# Altium PCB GridSeed.PcbDoc (part 3 of 4)
Units mm, origin at the board's own origin, x right, y up, seen from the top; angles counter-clockwise.
Board outline 91 x 132.25 mm, 4 copper layers (Top Layer, Mid-Top Layer, Mid-Bottom Layer, Bottom Layer); 396 components, 143 nets, 1833 pads, 2320 vias.
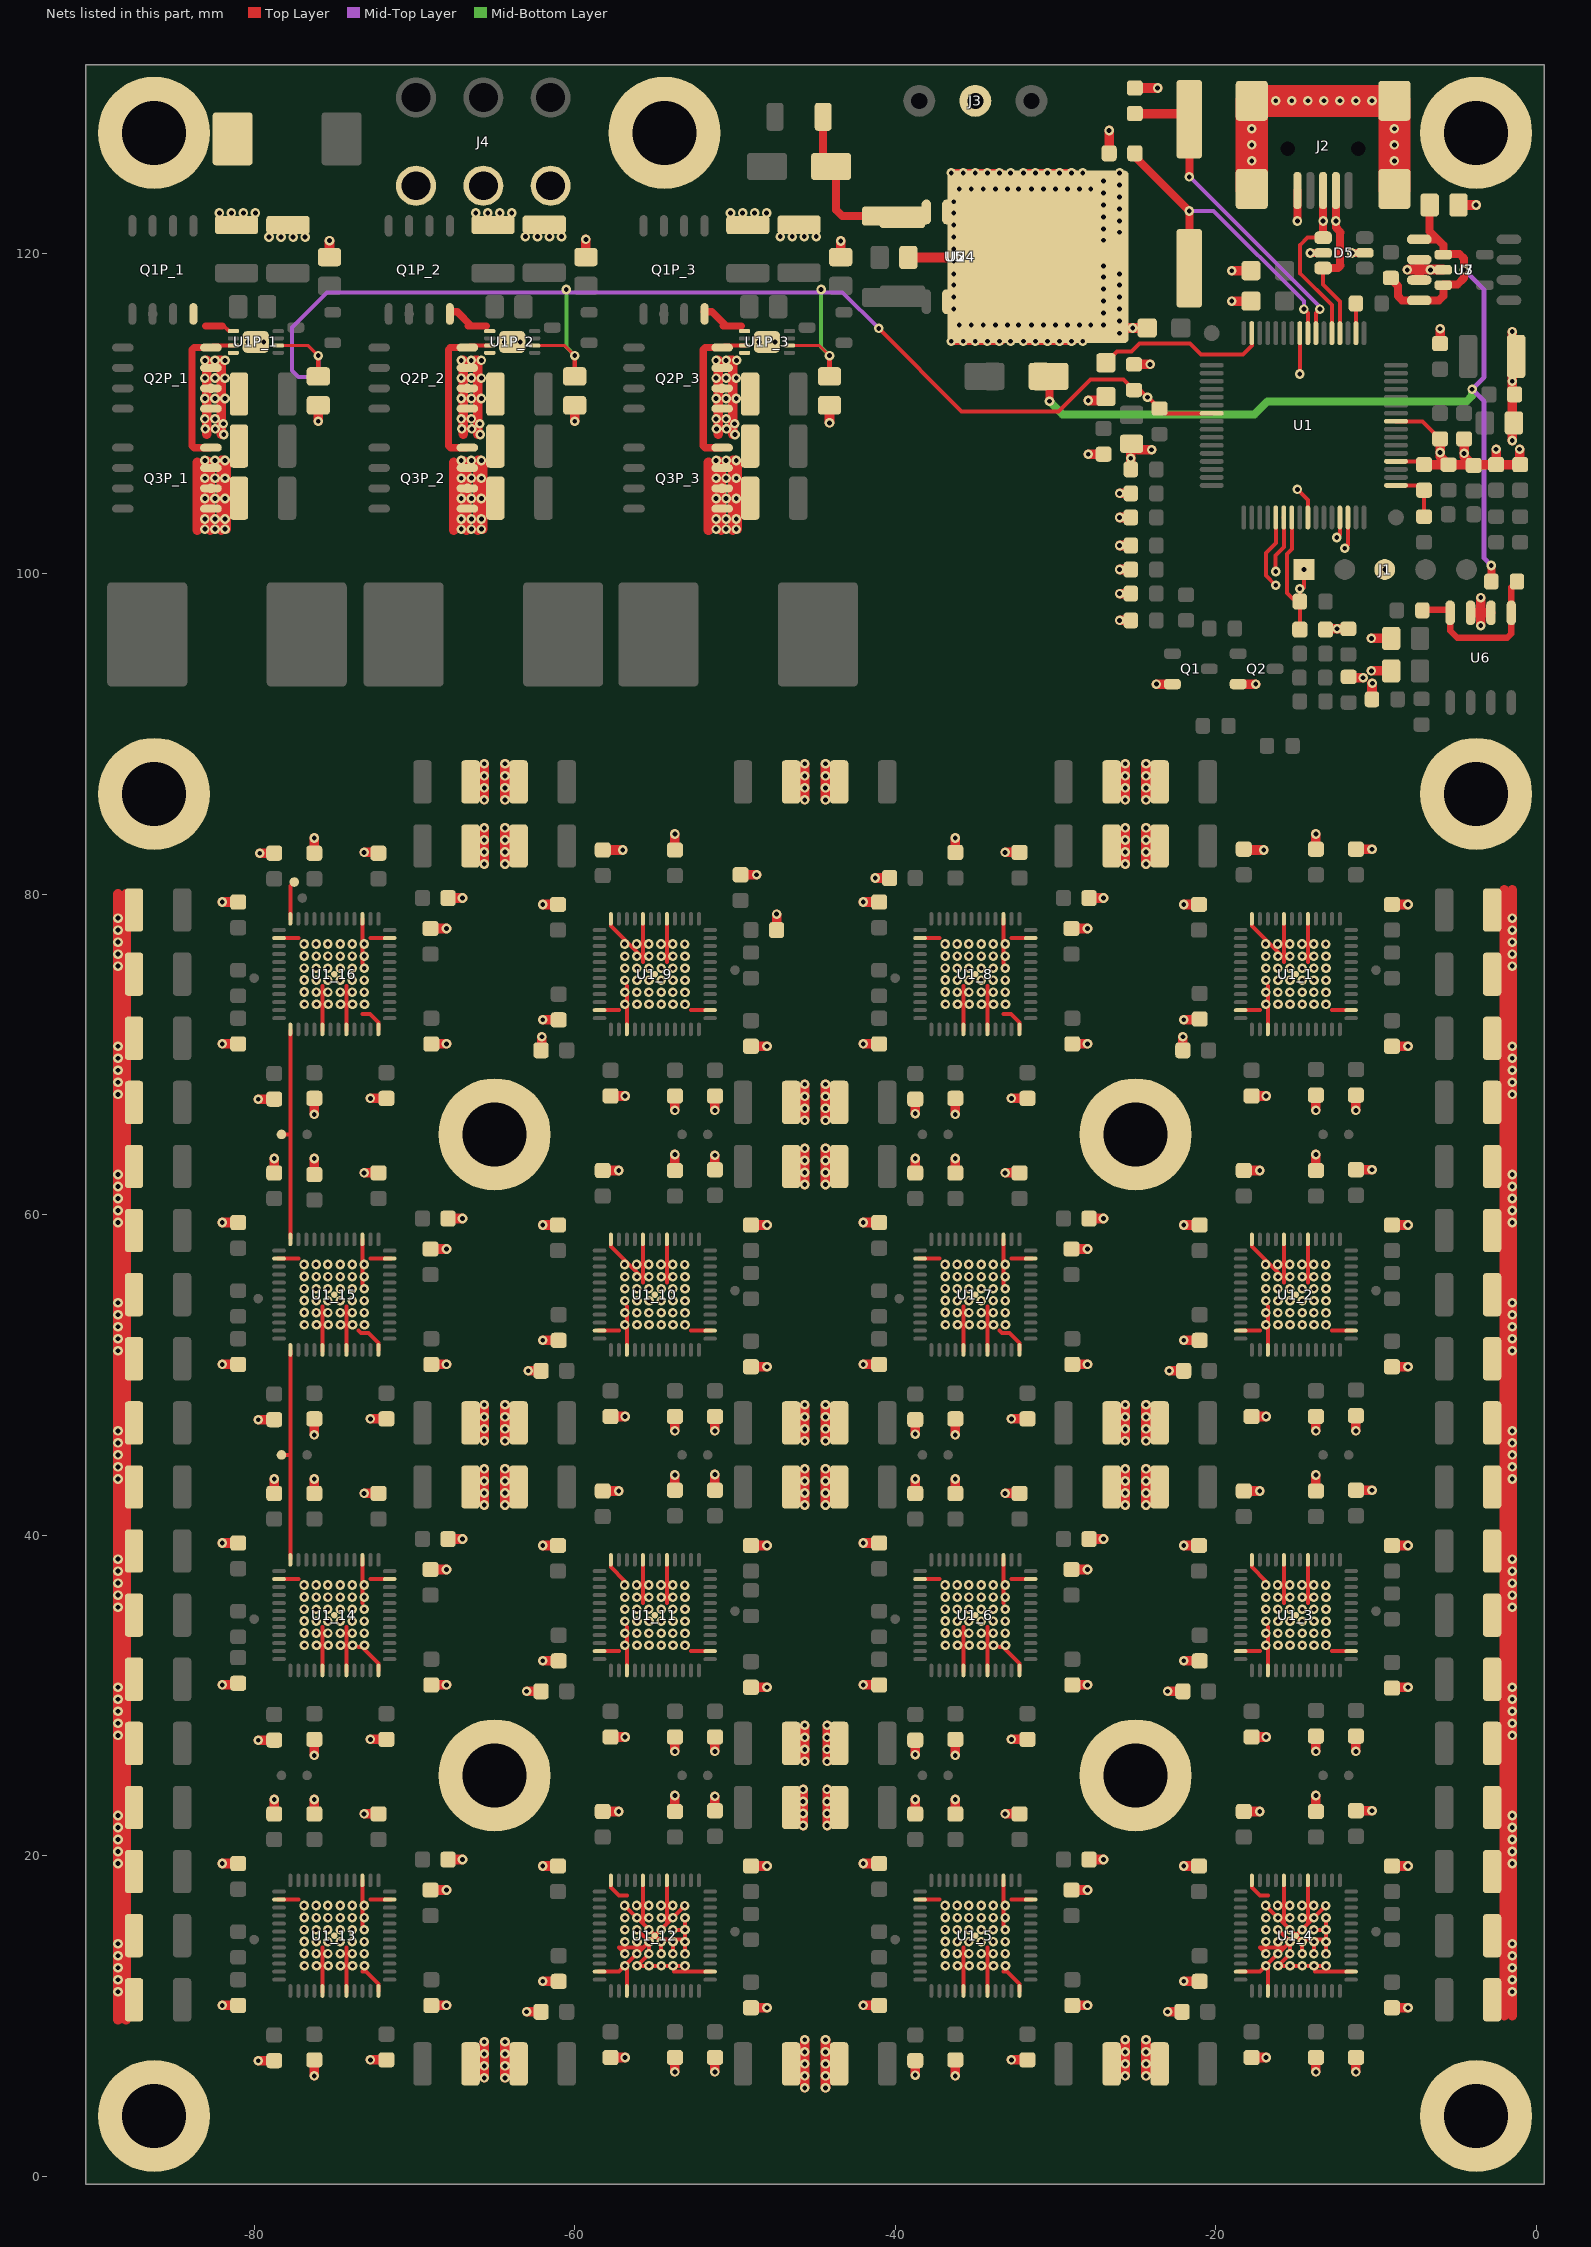
[diagram p5: the nets of this part, all layers, seen from the top]

## Via types
v1: diameter 0.6, hole 0.3, Top Layer to Bottom Layer, tented both sides, 1744 vias
v2: diameter 0.6, hole 0.3, Top Layer to Bottom Layer, 576 vias

## Nets (pads, with @x,y where several pads share a name; then routed paths per layer and width w, separated by ;. In a path a pad name is that pad's centre, name@x,y a point inside that pad or via, vN(x,y) a via of type N, cw(c..) or ccw(c..) an arc to the next point about the centre after c; other vN are vias at no path point) (continued)
CONFIG_P15: pad.0@-78.3,45 U1_14.36 U1_15.1 | length 13.5
  Top Layer w0.25: pad.0@-78.3,45 -77.75,45 ; U1_14.36@-77.75,38.525 U1_15.1@-77.75,51.475
CONFIG_P16: pad.0@-78.3,65 U1_15.36 U1_16.1 | length 13.5
  Top Layer w0.25: pad.0@-78.3,65 -77.75,65 ; U1_15.36@-77.75,58.525 U1_16.1@-77.75,71.475
CONFIG_P17: pad.0@-77.5,80.75 U1_16.36 | length 2.4
  Top Layer w0.25: U1_16.36@-77.75,78.45 -77.75,80.5 pad.0@-77.5,80.75
CSN4: U1.14 | length 2.1
  Top Layer w0.25: v1@-12,101.525 v1(-11.95,101.575) -11.75,101.775 U1.14@-11.75,103.5
CSP4: U1.13 | length 1.3
  Top Layer w0.25: v1(-12.45,102.25) -12.25,102.45 U1.13@-12.25,103.5
D+: D5.1 J2.3 U1.37 | length 10.9
  Top Layer w0.25: D5.1@-13.3,120.96 -14.275,120.96 -14.725,120.51 -14.725,118.725 -12.75,116.75 U1.37@-12.75,115
  Top Layer w0.5: D5.1@-13.3,120.96 J2.3@-13.3,123.9
  other v1: -13.3,122
D-: D5.3 J2.2 U1.36 | length 10.5
  Top Layer w0.25: D5.3@-13.058,119.06 -13.3,119.06 -13.3,118.035 -12.25,116.985 U1.36@-12.25,115
  Top Layer w0.5: D5.3@-13.058,119.06 -12.365,119.06 -12.2,119.225 ; J2.2@-12.5,123.9 -12.5,121.589 -12.2,121.289 ; -12.25,119.225 -12.25,121.289
  other v1: -12.5,122
DRVLOGIC: C2P_1.1 C2P_2.1 C2P_3.1 pad.0@-44.1,112.3 pad.0@-60,112.3 pad.0@-76,112.3 R17.2 R19.2 U1.55 U1P_1.6 U1P_2.6 U1P_3.6 | length 89.5
  Top Layer w0.2: U1P_1.6@-78.5,114.225 -76.625,114.225 v1(-76,113.6) ; U1P_2.6@-62.5,114.225 -60.625,114.225 v1(-60,113.6) ; U1P_3.6@-46.6,114.225 -44.725,114.225 v1(-44.1,113.6)
  Top Layer w0.25: v1(-41.025,115.3) -35.85,110.125 -29.8,110.125 -27.825,112.1 -25.75,112.1 R19.2@-25.1,111.45 ; R19.2@-25.108,111.45 R19.2@-25.1,111.45 ; U1.55@-20.25,110 -23.2,110 -24.2,111 v1(-24.258,111) -24.708,111.45 R19.2@-25.1,111.45
  Top Layer w0.3: C2P_1.1@-76,112.3 v1(-76,113.6) ; C2P_2.1@-60,112.3 v1(-60,113.6) ; C2P_3.1@-44.1,112.3 v1(-44.1,113.6)
  Mid-Top Layer w0.25: v1(-76,113.6) -76,112.7 -76.425,112.275 -77.25,112.275 -77.65,112.675 -77.65,115.35 -75.45,117.55 -73.518,117.55 -43.275,117.55 v1(-41.025,115.3)
  Mid-Bottom Layer w0.25: v1(-60.525,117.725) -60.525,114.125 v1(-60,113.6) ; v1(-44.625,117.725) -44.625,114.125 v1(-44.1,113.6)
FB: C3.1 R18.1 U1.17 | length 3.5
  Top Layer w0.25: U1.17@-8.75,105.5 -7.3,105.5 C3.1@-7,105.2 R18.1@-7,103.55
GND: C1.2 C1_1.2 C1_2.2 C1_3.2 C1_4.2 C1_5.2 C1_6.2 C1_7.2 C1_8.2 C1_9.2 C1_10.2 C1_11.2 C1_12.2 C1_13.2 C1_14.2 C1_15.2 C1_16.2 C1P_1.1 C1P_2.1 C1P_3.1 C2.2 C2_1.2 C2_2.2 C2_3.2 C2_4.2 C2_5.2 C2_6.2 C2_7.2 C2_8.2 C2_9.2 C2_10.2 C2_11.2 C2_12.2 C2_13.2 C2_14.2 C2_15.2 C2_16.2 C2P_1.2 C2P_2.2 C2P_3.2 C3.2 C3_1.2 C3_2.2 C3_3.2 C3_4.2 C3_5.2 C3_6.2 C3_7.2 C3_8.2 C3_9.2 C3_10.2 C3_11.2 C3_12.2 C3_13.2 C3_14.2 C3_15.2 C3_16.2 C4.2 C4_1.2 C4_2.2 C4_3.2 C4_4.2 C4_5.2 C4_6.2 C4_7.2 C4_8.2 C4_9.2 C4_10.2 C4_11.2 C4_12.2 C4_13.2 C4_14.2 C4_15.2 C4_16.2 C4P_1.2 C4P_2.2 C4P_3.2 C5.2 C5_1.1 C5_2.1 C5_3.1 C5_4.1 C5_5.1 C5_6.1 C5_7.1 C5_8.1 C5_9.1 C5_10.1 C5_11.1 C5_12.1 C5_13.1 C5_14.1 C5_15.1 C5_16.1 C5P_1.2 C5P_2.2 C5P_3.2 C6.2 C6_1.2 C6_2.2 C6_3.2 C6_4.2 C6_5.2 C6_6.2 C6_7.2 C6_8.2 C6_9.2 C6_10.2 C6_11.2 C6_12.2 C6_13.2 C6_14.2 C6_15.2 C6_16.2 C6P_1.2 C6P_2.2 C6P_3.2 C7.2 C7_1.2 C7_2.2 C7_3.2 C7_4.2 C7_5.2 C7_6.2 C7_7.2 C7_8.2 C7_9.2 C7_10.2 C7_11.2 C7_12.2 C7_13.2 C7_14.2 C7_15.2 C7_16.2 C7P_1.2 C7P_2.2 C7P_3.2 C8.2 C8_1.2 C8_2.2 C8_3.2 C8_4.2 C8_5.2 C8_6.2 C8_7.2 C8_8.2 C8_9.2 C8_10.2 C8_11.2 C8_12.2 C8_13.2 C8_14.2 C8_15.2 C8_16.2 C8P_1.2 C8P_2.2 C8P_3.2 C9.2 C9_1.2 C9_2.2 C9_3.2 C9_4.2 C9_5.2 C9_6.2 C9_7.2 C9_8.2 C9_9.2 C9_10.2 C9_11.2 C9_12.2 C9_13.2 C9_14.2 C9_15.2 C9_16.2 C10.2 C10_1.2 C10_2.2 C10_3.2 C10_4.2 C10_5.2 C10_6.2 C10_7.2 C10_8.2 C10_9.2 C10_10.2 C10_11.2 C10_12.2 C10_13.2 C10_14.2 C10_15.2 C10_16.2 C11.2 C11_1.2 C11_2.2 C11_3.2 C11_4.2 C11_5.2 C11_6.2 C11_7.2 C11_8.2 C11_9.2 C11_10.2 C11_11.2 C11_12.2 C11_13.2 C11_14.2 C11_15.2 C11_16.2 C12.2 C13.2 C14.2 C15.2 C16.2 C17.2 C25.1 C26.2 C_220_1.2 C_220_2.2 C_220_3.2 C_220_4.2 C_220_5.2 C_220_6.2 C_220_7.2 C_220_8.2 C_220_9.2 C_220_10.2 C_220_11.2 C_220_12.2 C_220_13.2 C_220_14.2 C_220_15.2 C_220_16.2 C_220_17.2 C_220_18.2 C_220_19.2 C_220_20.2 C_220_21.2 C_220_22.2 C_220_23.2 C_220_24.2 C_220_25.2 C_220_26.2 C_220_27.2 C_220_28.2 C_220_29.2 C_220_30.2 C_220_31.2 C_220_32.2 C_220_33.2 C_220_34.2 C_220_35.2 C_220_36.2 C_220_37.2 C_220_38.2 C_220_39.2 C_220_40.2 C_220_41.2 C_220_42.2 C_220_43.2 C_220_44.2 C_220_45.2 C_220_46.2 C_220_47.2 C_220_48.2 C_220_49.2 C_220_50.2 C_220_51.2 C_220_52.2 C_220_53.2 C_220_54.2 C_220_55.2 C_220_56.2 C_220_57.2 C_220_58.2 C_220_59.2 C_220_60.2 C_220_61.2 C_220_62.2 C_220_63.2 C_220_64.2 C_220_65.2 C_220_66.2 C_220_67.2 C_220_68.2 C_220_69.2 C_220_70.2 C_220_71.2 C_220_73.2 D1.1 D2.1 D3.1 D4.1 D5.2 D5.5 D10.2 J1.3 J2.5 J2.6 J2.7 J2.8 J2.9 J3.2 J4.1 J4.3 J4.5 pad.0@-3.75,3.75 pad.0@-3.75,86.25 pad.0@-3.75,127.5 pad.0@-25,25 pad.0@-25,65 pad.0@-48,114.45 pad.0@-50.8,105.315 pad.0@-50.8,111.56 pad.0@-54.4,127.5 pad.0@-63.9,114.45 pad.0@-65,25 pad.0@-65,65 pad.0@-66.7,105.315 pad.0@-66.7,111.56 pad.0@-79.9,114.45 pad.0@-82.7,105.315 pad.0@-82.7,111.56 pad.0@-86.25,3.75 pad.0@-86.25,86.25 pad.0@-86.25,127.5 Q1.2 Q2.2 Q2P_1.1 Q2P_1.2 Q2P_1.3 Q2P_2.1 Q2P_2.2 Q2P_2.3 Q2P_3.1 Q2P_3.2 Q2P_3.3 Q3P_1.1 Q3P_1.2 Q3P_1.3 Q3P_2.1 Q3P_2.2 Q3P_2.3 Q3P_3.1 Q3P_3.2 Q3P_3.3 R5.1 R7.1 R8.2 R9.2 R10.2 R11.2 R12.1 R13.1 R14.1 R16.1 R19.1 R31.1 U1.9 U1.20 U1.25 U1.41 U1_1.5 U1_1.8 U1_1.12 U1_1.23 U1_1.27 U1_1.38 U1_1.49 U1_2.5 U1_2.8 U1_2.12 U1_2.23 U1_2.27 U1_2.38 U1_2.49 U1_3.5 U1_3.8 U1_3.12 U1_3.23 U1_3.27 U1_3.38 U1_3.49 U1_4.5 U1_4.8 U1_4.12 U1_4.23 U1_4.27 U1_4.38 U1_4.49 U1_5.5 U1_5.8 U1_5.12 U1_5.23 U1_5.27 U1_5.38 U1_5.49 U1_6.5 U1_6.8 U1_6.12 U1_6.23 U1_6.27 U1_6.38 U1_6.49 U1_7.5 U1_7.8 U1_7.12 U1_7.23 U1_7.27 U1_7.38 U1_7.49 U1_8.5 U1_8.8 U1_8.12 U1_8.23 U1_8.27 U1_8.38 U1_8.49 U1_9.5 U1_9.8 U1_9.12 U1_9.23 U1_9.27 U1_9.38 U1_9.49 U1_10.5 U1_10.8 U1_10.12 U1_10.23 U1_10.27 U1_10.38 U1_10.49 U1_11.5 U1_11.8 U1_11.12 U1_11.23 U1_11.27 U1_11.38 U1_11.49 U1_12.5 U1_12.8 U1_12.12 U1_12.23 U1_12.27 U1_12.38 U1_12.49 U1_13.5 U1_13.8 U1_13.12 U1_13.23 U1_13.27 U1_13.38 U1_13.49 U1_14.5 U1_14.8 U1_14.12 U1_14.23 U1_14.27 U1_14.38 U1_14.49 U1_15.5 U1_15.8 U1_15.12 U1_15.23 U1_15.27 U1_15.38 U1_15.49 U1_16.5 U1_16.8 U1_16.12 U1_16.23 U1_16.27 U1_16.38 U1_16.49 U1P_1.4 U1P_1.9 U1P_2.4 U1P_2.9 U1P_3.4 U1P_3.9 U2.2 U2.3 U2.4 U2.5 U2.6 U2.7 U3.2 U4.2 U5.2 U6.6 U6.7 U7.6 U7.7 | length 1020.3
  Top Layer w0.25: U1_13.38@-78.525,17.25 -77.25,17.25 ; U1_14.38@-78.525,37.25 -77.25,37.25 ; U1_15.38@-78.525,57.25 -77.25,57.25 ; U1_16.38@-78.525,77.25 -77.25,77.25 ; U1_13.5@-75.75,11.475 -75.75,14.25 ; U1_14.5@-75.75,31.475 -75.75,34.25 ; U1_15.5@-75.75,51.475 -75.75,54.25 ; U1_16.5@-75.75,71.475 -75.75,74.25 ; U1_13.8@-74.25,11.475 -74.25,14.25 ; U1_14.8@-74.25,31.475 -74.25,34.25 ; U1_15.8@-74.25,51.475 -74.25,54.25 ; U1_16.8@-74.25,71.475 -74.25,74.25 ; -73.5,33 -73.264,33 -72.25,31.986 U1_14.12@-72.25,31.55 ; -73.5,52.75 -73.35,52.6 -72.864,52.6 -72.25,51.986 U1_15.12@-72.25,51.55 ; -73.25,12.75 -73.014,12.75 -72.25,11.986 U1_13.12@-72.25,11.55 ; -73.25,15.675 U1_13.27@-73.25,18.45 ; -73.25,35.75 U1_14.27@-73.25,38.525 ; -73.25,55.675 U1_15.27@-73.25,58.45 ; -73.25,72.5 -72.764,72.5 -72.25,71.986 U1_16.12@-72.25,71.55 ; -73.25,75.675 U1_16.27@-73.25,78.45 ; -72.75,17.25 U1_13.23@-71.475,17.25 ; -72.75,37.25 U1_14.23@-71.475,37.25 ; -72.75,57.25 U1_15.23@-71.475,57.25 ; -72.75,77.25 U1_16.23@-71.475,77.25 ; U1_12.23@-58.525,12.75 -57.235,12.75 -55.371,14.615 v2(-55.371,13.871) ; U1_11.23@-58.525,32.75 -57.25,32.75 ; U1_10.23@-58.525,52.75 -57.25,52.75 ; U1_9.23@-58.525,72.75 -57.25,72.75 ; U1_12.12@-57.75,18.45 -57.75,18.014 -57.236,17.5 -56.75,17.5 ; U1_11.12@-57.75,38.45 -57.75,38 -56.885,37.135 v2(-56.885,36.88) ; U1_10.12@-57.75,58.45 -57.75,58 -55.75,56 ; U1_9.12@-57.75,78.45 -57.75,78 -55.75,76 ; v2(-56.885,16.88) -56.88,16.88 -55.75,15.75 ; v2(-56.871,13.871) -57.25,14.25 -55.75,14.25 ; U1_12.27@-56.75,11.5 v2@-56.75,13.12 ; U1_11.27@-56.75,31.55 -56.75,34.25 ; U1_10.27@-56.75,51.475 -56.75,54.25 ; U1_9.27@-56.75,71.475 -56.75,74.25 ; v2(-56.12,15.371) -55.375,14.625 U1_12.49@-55,15 ; v2(-56.115,13.12) v2@-55.371,13.864 ; v2@-56.11,13.115 v2@-54.595,13.115 ; U1_12.8@-55.75,18.525 -55.75,15.75 ; -55.75,35.75 U1_11.8@-55.75,38.525 ; -55.75,55.75 U1_10.8@-55.75,58.525 ; -55.75,75.75 U1_9.8@-55.75,78.525 ; v2(-54.6,13.871) v2@-54.6,14.62 ; -54.25,13.115 v2@-53.12,13.115 ; -54.25,15.75 U1_12.5@-54.25,18.525 ; -54.25,35.75 U1_11.5@-54.25,38.525 ; -54.25,55.75 U1_10.5@-54.25,58.525 ; -54.25,75.75 U1_9.5@-54.25,78.525 ; v2(-53.871,13.871) v2@-53.871,14.62 ; v2(-53.871,15.371) -53.865,15.365 v2(-53.12,15.365) ; -53.8,12.75 U1_12.38@-51.475,12.75 ; v2(-53.135,16.875) -53.135,16.851 -54.985,15 U1_12.49@-55,15 ; v2(-53.12,13.865) v2@-53.12,14.62 ; v2(-53.12,16.115) v2(-53.12,15.365) ; -52.75,32.75 U1_11.38@-51.475,32.75 ; -52.75,52.75 U1_10.38@-51.475,52.75 ; -52.75,72.75 U1_9.38@-51.55,72.75 ; U1_5.38@-38.525,17.25 -37.25,17.25 ; U1_6.38@-38.525,37.25 -37.25,37.25 ; U1_7.38@-38.525,57.25 -37.25,57.25 ; U1_8.38@-38.525,77.25 -37.25,77.25 ; U1_5.5@-35.75,11.475 -35.75,14.25 ; U1_6.5@-35.75,31.475 -35.75,34.25 ; U1_7.5@-35.75,51.475 -35.75,54.25 ; U1_8.5@-35.75,71.475 -35.75,74.25 ; U1_5.8@-34.25,11.475 -34.25,14.25 ; U1_6.8@-34.25,31.475 -34.25,34.25 ; U1_7.8@-34.25,51.475 -34.25,54.25 ; U1_8.8@-34.25,71.475 -34.25,74.25 ; -33.5,33 -33.264,33 -32.25,31.986 U1_6.12@-32.25,31.55 ; -33.5,52.75 -33.35,52.6 -32.864,52.6 -32.25,51.986 U1_7.12@-32.25,51.55 ; -33.25,12.75 -33.014,12.75 -32.25,11.986 U1_5.12@-32.25,11.55 ; -33.25,15.675 U1_5.27@-33.25,18.45 ; -33.25,35.75 U1_6.27@-33.25,38.525 ; -33.25,55.675 U1_7.27@-33.25,58.45 ; -33.25,72.5 -32.764,72.5 -32.25,71.986 U1_8.12@-32.25,71.55 ; -33.25,75.675 U1_8.27@-33.25,78.45 ; -32.75,17.25 U1_5.23@-31.475,17.25 ; -32.75,37.25 U1_6.23@-31.475,37.25 ; -32.75,57.25 U1_7.23@-31.475,57.25 ; -32.75,77.25 U1_8.23@-31.475,77.25 ; U1_4.23@-18.525,12.75 -17.235,12.75 -15.371,14.615 v2(-15.371,13.871) ; U1_3.23@-18.525,32.75 -17.25,32.75 ; U1_2.23@-18.525,52.75 -17.25,52.75 ; U1_1.23@-18.525,72.75 -17.25,72.75 ; U1_4.12@-17.75,18.45 -17.75,18.014 -17.236,17.5 -16.75,17.5 ; U1_3.12@-17.75,38.45 -17.75,38 -16.885,37.135 v2(-16.885,36.88) ; U1_2.12@-17.75,58.45 -17.75,58 -15.75,56 ; U1_1.12@-17.75,78.45 -17.75,78 -15.75,76 ; v2(-16.885,16.88) -16.88,16.88 -15.75,15.75 ; v2(-16.871,13.871) -17.25,14.25 -15.75,14.25 ; U1_4.27@-16.75,11.5 v2@-16.75,13.12 ; U1_3.27@-16.75,31.55 -16.75,34.25 ; U1_2.27@-16.75,51.475 -16.75,54.25 ; U1_1.27@-16.75,71.475 -16.75,74.25 ; v2(-16.12,15.371) -15.375,14.625 U1_4.49@-15,15 ; v2(-16.115,13.12) v2@-15.371,13.864 ; v2@-16.11,13.115 v2@-14.595,13.115 ; U1_4.8@-15.75,18.525 -15.75,15.75 ; -15.75,35.75 U1_3.8@-15.75,38.525 ; -15.75,55.75 U1_2.8@-15.75,58.525 ; -15.75,75.75 U1_1.8@-15.75,78.525 ; v1(-14.9,105.25) -14.25,104.6 U1.9@-14.25,103.5 ; v1(-14.75,112.45) U1.41@-14.75,115 ; v2(-14.6,13.871) v2@-14.6,14.62 ; -14.25,13.115 v2@-13.12,13.115 ; -14.25,15.75 U1_4.5@-14.25,18.525 ; -14.25,35.75 U1_3.5@-14.25,38.525 ; -14.25,55.75 U1_2.5@-14.25,58.525 ; -14.25,75.75 U1_1.5@-14.25,78.525 ; v2(-13.871,13.871) v2@-13.871,14.62 ; v2(-13.871,15.371) -13.865,15.365 v2(-13.12,15.365) ; -13.8,12.75 U1_4.38@-11.475,12.75 ; v2(-13.135,16.875) -13.135,16.851 -14.985,15 U1_4.49@-15,15 ; v2(-13.12,13.865) v2@-13.12,14.62 ; v2(-13.12,16.115) v2(-13.12,15.365) ; -12.75,32.75 U1_3.38@-11.475,32.75 ; -12.75,52.75 U1_2.38@-11.475,52.75 ; -12.75,72.75 U1_1.38@-11.55,72.75 ; U1.20@-8.75,107 -7.2,107 C3.2@-7,106.8 ; U1.25@-8.75,109.5 -7.1,109.5 C11.2@-6,108.4 ; -55.75,15.75 v2(-55.371,15.371) U1_12.49@-55,15 ; U1_12.49@-55,15 -54.75,14.75 -53.12,14.75 v2(-53.12,15.365) ; -15.75,15.75 v2(-15.371,15.371) U1_4.49@-15,15 ; U1_4.49@-15,15 -14.75,14.75 -13.12,14.75 v2(-13.12,15.365)
  Top Layer w0.5: v1(-36.5,114.5) U4.2@-33.365,114.5 ; v1(-36.5,125) U4.2@-33.365,125 ; U4.2@-36.35,115 U4.2@-36.35,118.135 ; v1(-36.35,119.5) -36.35,119.725 v1(-36.35,120.25) v1(-36.35,121) v1(-36.35,121.75) v1(-36.35,122.5) U4.2@-36.35,122.635 ; v1(-36,115.5) U4.2@-32.865,115.5 ; v1(-36,124) U4.2@-32.865,124 ; v1(-32,114.5) U4.2@-28.865,114.5 ; v1(-32,125) U4.2@-28.865,125 ; v1(-31.5,115.5) U4.2@-28.365,115.5 ; v1(-31.5,124) U4.2@-28.365,124 ; v1(-27,115.5) U4.2@-27,118.635 ; U4.2@-27,121.365 v1(-27,124.5) ; v1(-26,115) U4.2@-26,118.135 ; U4.2@-26,121.865 v1(-26,125) ; v1(-14.9,122) J2.5@-14.9,123.9 ; v1(-14.1,120) D5.2@-13.31,120 ; v1@-11.5,120.01 D5.5@-10.7,120.01
  Top Layer w0.6: -88.5,9.75 -88.5,80 ; C_220_26.2@-88,9.75 C_220_10.2@-88,80 ; -83.55,102.7 -83.55,106.95 ; v1@-82.95,102.95 v1@-82.95,107.048 ; -82.95,108.7 v1@-82.95,113.293 ; -82.75,102.7 -82.75,106.95 ; v1@-82.245,113.293 -82.238,113.3 v1@-82.075,113.3 ; v1@-82.045,102.7 -82.045,107.048 -82.038,107.055 v1@-81.875,107.055 ; v1@-82.045,108.7 v1@-82.045,113.293 ; v1(-82,10.65) C10_13.2@-81,10.65 ; v1(-82,19.5) C9_13.2@-81,19.5 ; v1(-82,30.65) C10_14.2@-81,30.65 ; v1(-82,39.5) C9_14.2@-81,39.5 ; v1(-82,50.65) C10_15.2@-81,50.65 ; v1(-82,59.5) C9_15.2@-81,59.5 ; v1(-82,70.65) C10_16.2@-81,70.65 ; v1(-82,79.5) C11_16.2@-81,79.5 ; v1@-81.75,102.775 v1@-81.75,106.95 ; v1(-79.75,7.2) C11_13.2@-78.75,7.2 ; v1(-79.75,27.2) C11_14.2@-78.75,27.2 ; v1(-79.75,47.2) C11_15.2@-78.75,47.2 ; v1(-79.75,67.2) C9_16.2@-78.75,67.2 ; v1(-79.65,82.55) C8_16.2@-78.75,82.55 ; C8_13.2@-78.75,22.6 v1(-78.75,23.5) ; C8_14.2@-78.75,42.6 v1(-78.75,43.5) ; C8_15.2@-78.75,62.6 v1(-78.75,63.5) ; v1(-76.25,6.25) C1_13.2@-76.25,7.25 ; C7_13.2@-76.25,22.6 v1(-76.25,23.5) ; v1(-76.25,26.25) C1_14.2@-76.25,27.25 ; C7_14.2@-76.25,42.6 v1(-76.25,43.5) ; v1(-76.25,46.25) C1_15.2@-76.25,47.25 ; C7_15.2@-76.25,62.6 v1(-76.25,63.5) ; v1(-76.25,66.25) C1_16.2@-76.25,67.25 ; C7_16.2@-76.25,82.6 v1(-76.25,83.5) ; v1(-76,109.5) C2P_1.2@-76,110.5 ; C1P_1.1@-75.3,119.775 v1(-75.3,120.775) ; v1(-73.143,22.6) C6_13.2@-72.243,22.6 ; v1(-73.143,42.6) C6_14.2@-72.243,42.6 ; v1(-73.143,62.6) C6_15.2@-72.243,62.6 ; v1(-73.143,82.6) C6_16.2@-72.243,82.6 ; v1(-72.75,7.25) C2_13.2@-71.75,7.25 ; v1(-72.75,27.25) C2_14.2@-71.75,27.25 ; v1(-72.75,47.25) C2_15.2@-71.75,47.25 ; v1(-72.75,67.25) C2_16.2@-71.75,67.25 ; C4_13.2@-69,17.85 v1(-68,17.85) ; C4_14.2@-69,37.85 v1(-68,37.85) ; C4_15.2@-69,57.85 v1(-68,57.85) ; C4_16.2@-69,77.85 v1(-68,77.85) ; C3_13.2@-68.95,10.65 v1(-68,10.65) ; C3_14.2@-68.95,30.65 v1(-68,30.65) ; C3_15.2@-68.95,50.65 v1(-68,50.65) ; C3_16.2@-68.95,70.65 v1(-68,70.65) ; C5_13.1@-67.9,19.75 v1(-67,19.75) ; C5_14.1@-67.9,39.75 v1(-67,39.75) ; C5_15.1@-67.9,59.75 v1(-67,59.75) ; C5_16.1@-67.9,79.75 v1(-67,79.75) ; -67.55,102.7 -67.55,106.95 ; v1@-66.95,102.95 v1@-66.95,107.048 ; -66.95,108.7 v1@-66.95,113.293 ; -66.75,102.7 -66.75,106.95 ; v1@-66.245,113.293 -66.238,113.3 v1@-66.075,113.3 ; v1@-66.045,102.7 -66.045,107.048 -66.038,107.055 v1@-65.875,107.055 ; v1@-66.045,108.7 v1@-66.045,113.293 ; v1@-65.75,102.775 v1@-65.75,106.95 ; v1(-65.65,6.125) v1(-65.65,8.375) ; v1(-65.65,41.875) v1(-65.65,44.125) ; v1(-65.65,45.875) v1(-65.65,48.125) ; v1(-65.65,81.875) v1(-65.65,84.125) ; v1(-65.65,85.875) v1(-65.65,88.125) ; v1(-64.35,6.125) v1(-64.35,8.375) ; v1(-64.35,41.875) v1(-64.35,44.125) ; v1(-64.35,45.875) v1(-64.35,48.125) ; v1(-64.35,81.875) v1(-64.35,84.125) ; v1(-64.35,85.875) v1(-64.35,88.125) ; v1(-63,10.25) C5_12.1@-62.1,10.25 ; v1(-63,30.25) C5_11.1@-62.1,30.25 ; v1(-62.9,50.25) C5_10.1@-62,50.25 ; C5_9.1@-62.05,70.2 v1(-62.05,71.1) ; v1(-62,12.15) C4_12.2@-61,12.15 ; v1(-62,19.35) C3_12.2@-61.05,19.35 ; v1(-62,32.15) C4_11.2@-61,32.15 ; v1(-62,39.35) C3_11.2@-61.05,39.35 ; v1(-62,52.15) C4_10.2@-61,52.15 ; v1(-62,59.35) C3_10.2@-61.05,59.35 ; v1(-62,72.15) C4_9.2@-61,72.15 ; v1(-62,79.35) C3_9.2@-61.05,79.35 ; v1(-60,109.5) C2P_2.2@-60,110.5 ; C1P_2.1@-59.3,119.85 v1(-59.3,120.85) ; C2_12.2@-58.25,22.75 v1(-57.25,22.75) ; C2_11.2@-58.25,42.75 v1(-57.25,42.75) ; C2_10.2@-58.25,62.75 v1(-57.25,62.75) ; C2_9.2@-58.25,82.75 v1(-57,82.75) ; C6_12.2@-57.757,7.4 v1(-56.857,7.4) ; C6_11.2@-57.757,27.4 v1(-56.857,27.4) ; C6_10.2@-57.757,47.4 v1(-56.857,47.4) ; C6_9.2@-57.757,67.4 v1(-56.857,67.4) ; v1(-53.75,6.5) C7_12.2@-53.75,7.4 ; C1_12.2@-53.75,22.75 v1(-53.75,23.75) ; v1(-53.75,26.5) C7_11.2@-53.75,27.4 ; C1_11.2@-53.75,42.75 v1(-53.75,43.75) ; v1(-53.75,46.5) C7_10.2@-53.75,47.4 ; C1_10.2@-53.75,62.75 v1(-53.75,63.75) ; v1(-53.75,66.5) C7_9.2@-53.75,67.4 ; C1_9.2@-53.75,82.75 v1(-53.75,83.75) ; -51.65,102.7 -51.65,106.95 ; v1(-51.25,6.5) C8_12.2@-51.25,7.4 ; C11_12.2@-51.25,22.8 v1(-51.25,23.7) ; v1(-51.25,26.5) C8_11.2@-51.25,27.4 ; C11_11.2@-51.25,42.875 v1(-51.25,43.775) ; v1(-51.25,46.5) C8_10.2@-51.25,47.4 ; C11_10.2@-51.25,62.8 v1(-51.25,63.7) ; v1(-51.25,66.5) C8_9.2@-51.25,67.4 ; v1@-51.05,102.95 v1@-51.05,107.048 ; -51.05,108.7 v1@-51.05,113.293 ; -50.85,102.7 -50.85,106.95 ; v1@-50.345,113.293 -50.338,113.3 v1@-50.175,113.3 ; v1@-50.145,102.7 -50.145,107.048 -50.138,107.055 v1@-49.975,107.055 ; v1@-50.145,108.7 v1@-50.145,113.293 ; v1@-49.85,102.775 v1@-49.85,106.95 ; C11_9.2@-49.65,81.2 v1(-48.65,81.2) ; C9_12.2@-49,10.5 v1(-48,10.5) ; C10_12.2@-49,19.35 v1(-48,19.35) ; C9_11.2@-49,30.5 v1(-48,30.5) ; C10_11.2@-49,39.35 v1(-48,39.35) ; C9_10.2@-49,50.5 v1(-48,50.5) ; C10_10.2@-49,59.35 v1(-48,59.35) ; C9_9.2@-49,70.5 v1(-48,70.5) ; C10_9.2@-47.4,77.75 v1(-47.4,78.75) ; v1(-45.75,21.875) v1(-45.75,24.125) ; v1(-45.65,5.5) v1(-45.65,8.5) ; v1(-45.65,25.875) v1(-45.65,28.125) ; v1(-45.65,41.875) v1(-45.65,44.125) ; v1(-45.65,45.875) v1(-45.65,48.125) ; v1(-45.65,61.875) v1(-45.65,64.125) ; v1(-45.65,65.875) v1(-45.65,68.125) ; v1(-45.65,85.875) v1(-45.65,88.125) ; v1(-44.35,5.5) v1(-44.35,8.5) ; v1(-44.35,41.875) v1(-44.35,44.125) ; v1(-44.35,45.875) v1(-44.35,48.125) ; v1(-44.35,61.875) v1(-44.35,64.125) ; v1(-44.35,65.875) v1(-44.35,68.125) ; v1(-44.35,85.875) v1(-44.35,88.125) ; v1(-44.25,21.875) v1(-44.25,24.125) ; v1(-44.25,25.875) v1(-44.25,28.125) ; v1(-44.1,109.4) C2P_3.2@-44.1,110.4 ; C1P_3.1@-43.4,119.75 v1(-43.4,120.75) ; v1(-42,10.65) C10_5.2@-41,10.65 ; v1(-42,19.5) C9_5.2@-41,19.5 ; v1(-42,30.65) C10_6.2@-41,30.65 ; v1(-42,39.5) C9_6.2@-41,39.5 ; v1(-42,50.65) C10_7.2@-41,50.65 ; v1(-42,59.5) C9_7.2@-41,59.5 ; v1(-42,70.65) C10_8.2@-41,70.65 ; v1(-42,79.5) C9_8.2@-41,79.5 ; v1(-41.25,81) C8_8.2@-40.35,81 ; C14.2@-39.175,119.725 -36.35,119.725 -31.14,119.725 U4.2@-31.1,119.765 ; v1(-38.75,6.3) C11_5.2@-38.75,7.2 ; C8_5.2@-38.75,22.6 v1(-38.75,23.5) ; v1(-38.75,26.3) C11_6.2@-38.75,27.2 ; C8_6.2@-38.75,42.6 v1(-38.75,43.5) ; v1(-38.75,46.3) C11_7.2@-38.75,47.2 ; C8_7.2@-38.75,62.6 v1(-38.75,63.5) ; v1(-38.75,66.3) C11_8.2@-38.75,67.2 ; v1(-36.25,6.25) C1_5.2@-36.25,7.25 ; C7_5.2@-36.25,22.6 v1(-36.25,23.5) ; v1(-36.25,26.25) C1_6.2@-36.25,27.25 ; C7_6.2@-36.25,42.6 v1(-36.25,43.5) ; v1(-36.25,46.25) C1_7.2@-36.25,47.25 ; C7_7.2@-36.25,62.6 v1(-36.25,63.5) ; v1(-36.25,66.25) C1_8.2@-36.25,67.25 ; C7_8.2@-36.25,82.6 v1(-36.25,83.5) ; v1(-33.143,22.6) C6_5.2@-32.243,22.6 ; v1(-33.143,42.6) C6_6.2@-32.243,42.6 ; v1(-33.143,62.6) C6_7.2@-32.243,62.6 ; v1(-33.143,82.6) C6_8.2@-32.243,82.6 ; v1(-32.75,7.25) C2_5.2@-31.75,7.25 ; v1(-32.75,27.25) C2_6.2@-31.75,27.25 ; v1(-32.75,47.25) C2_7.2@-31.75,47.25 ; v1(-32.75,67.25) C2_8.2@-31.75,67.25 ; C4_5.2@-29,17.85 v1(-28,17.85) ; C4_6.2@-29,37.85 v1(-28,37.85) ; C4_7.2@-29,57.85 v1(-28,57.85) ; C4_8.2@-29,77.85 v1(-28,77.85) ; C3_5.2@-28.95,10.65 v1(-28,10.65) ; C3_6.2@-28.95,30.65 v1(-28,30.65) ; C3_7.2@-28.95,50.65 v1(-28,50.65) ; C3_8.2@-28.95,70.65 v1(-28,70.65) ; v1(-27.95,107.45) C4.2@-27,107.45 ; v1(-27.95,110.8) -27.1,110.8 D2.1@-26.85,111.05 ; C5_5.1@-27.9,19.75 v1(-27,19.75) ; C5_6.1@-27.9,39.75 v1(-27,39.75) ; C5_7.1@-27.9,59.75 v1(-27,59.75) ; C5_8.1@-27.9,79.75 v1(-27,79.75) ; C13.2@-26.65,126.225 v1(-26.65,127.65) ; v1(-26,97.075) R8.2@-25.3,97.075 ; v1(-26,98.75) R14.1@-25.3,98.75 ; v1(-26,100.25) R13.1@-25.3,100.25 ; v1(-26,101.75) R12.1@-25.3,101.75 ; v1(-26,103.5) R9.2@-25.3,103.5 ; v1(-26,105) R10.2@-25.3,105 ; v1(-25.65,6.25) v1(-25.65,8.5) ; v1(-25.65,41.875) v1(-25.65,44.125) ; v1(-25.65,45.875) v1(-25.65,48.125) ; v1(-25.65,81.875) v1(-25.65,84.125) ; v1(-25.65,85.875) v1(-25.65,88.125) ; v1@-25.392,115.325 D1.1@-24.275,115.325 ; R11.2@-25.3,106.5 v1(-25.3,107.2) -25.3,108.05 C1.2@-25.25,108.1 -24.875,107.725 v1(-24,107.725) ; R19.1@-25.1,113.05 v1(-24.092,113.05) ; C12.2@-25.05,130.3 v1(-23.625,130.3) ; v1(-24.35,6.25) v1(-24.35,8.5) ; v1(-24.35,41.875) v1(-24.35,44.125) ; v1(-24.35,45.875) v1(-24.35,48.125) ; v1(-24.35,81.875) v1(-24.35,84.125) ; v1(-24.35,85.875) v1(-24.35,88.125) ; v1(-23.7,93.1) Q1.2@-22.7,93.1 ; v1(-23,10.25) C5_4.1@-22.1,10.25 ; v1(-23,30.25) C5_3.1@-22.1,30.25 ; v1(-22.9,50.25) C5_2.1@-22,50.25 ; C5_1.1@-22.05,70.2 v1(-22.05,71.1) ; v1(-22,12.15) C4_4.2@-21,12.15 ; v1(-22,19.35) C3_4.2@-21.05,19.35 ; v1(-22,32.15) C4_3.2@-21,32.15 ; v1(-22,39.35) C3_3.2@-21.05,39.35 ; v1(-22,52.15) C4_2.2@-21,52.15 ; v1(-22,59.35) C3_2.2@-21.05,59.35 ; v1(-22,72.15) C4_1.2@-21,72.15 ; v1(-22,79.35) C3_1.2@-21.05,79.35 ; v1(-19,117) D3.1@-17.8,117 ; v1(-19,118.9) D4.1@-17.8,118.9 ; Q2.2@-18.6,93.1 v1(-17.5,93.1) ; C2_4.2@-18.25,22.75 v1(-17.25,22.75) ; C2_3.2@-18.25,42.75 v1(-17.25,42.75) ; C2_2.2@-18.25,62.75 v1(-17.25,62.75) ; C2_1.2@-18.25,82.75 v1(-17,82.75) ; C6_4.2@-17.757,7.4 v1(-16.857,7.4) ; C6_3.2@-17.757,27.4 v1(-16.857,27.4) ; C6_2.2@-17.757,47.4 v1(-16.857,47.4) ; C6_1.2@-17.757,67.4 v1(-16.857,67.4) ; v1(-13.75,6.5) C7_4.2@-13.75,7.4 ; C1_4.2@-13.75,22.75 v1(-13.75,23.75) ; v1(-13.75,26.5) C7_3.2@-13.75,27.4 ; C1_3.2@-13.75,42.75 v1(-13.75,43.75) ; v1(-13.75,46.5) C7_2.2@-13.75,47.4 ; C1_2.2@-13.75,62.75 v1(-13.75,63.75) ; v1(-13.75,66.5) C7_1.2@-13.75,67.4 ; C1_1.2@-13.75,82.75 v1(-13.75,83.75) ; C7.2@-13,96.5 -13.05,96.55 R7.1@-11.725,96.55 ; R5.1@-11.675,93.5 -11.625,93.5 v1(-10.8,93.5) ; v1(-11.25,6.5) C8_4.2@-11.25,7.4 ; C11_4.2@-11.25,22.8 v1(-10.25,22.8) ; v1(-11.25,26.5) C8_3.2@-11.25,27.4 ; C11_3.2@-11.25,42.8 v1(-10.25,42.8) ; v1(-11.25,46.5) C8_2.2@-11.25,47.4 ; C11_2.2@-11.25,62.8 v1(-10.25,62.8) ; v1(-11.25,66.5) C8_1.2@-11.25,67.4 ; C11_1.2@-11.25,82.8 v1(-10.25,82.8) ; v1(-10.287,93.925) C26.2@-9.05,93.925 ; v1(-10.287,95.95) C25.1@-9.05,95.95 ; R31.1@-10.25,92.15 v1@-10.25,93.15 ; J2.9@-9.1,123.75 J2.9@-8.85,124 ; C9_4.2@-9,10.5 v1(-8,10.5) ; C10_4.2@-9,19.35 v1(-8,19.35) ; C9_3.2@-9,30.5 v1(-8,30.5) ; C10_3.2@-9,39.35 v1(-8,39.35) ; C9_2.2@-9,50.5 v1(-8,50.5) ; C10_2.2@-9,59.35 v1(-8,59.35) ; C9_1.2@-9,70.5 v1(-8,70.5) ; C10_1.2@-9,79.35 v1(-8,79.35) ; v1(-8.05,118.95) -8.025,118.975 -7.3,118.975 ; U7.7@-7.3,118.315 -7.3,118.975 ; U7.6@-7.3,119.585 -7.3,118.975 ; C3.2@-7,106.8 R16.1@-5.5,106.8 ; C8.2@-6.001,114.35 -6,114.351 v1(-6,115.275) ; C11.2@-6,108.4 v1(-6,107.55) -6,107.3 R16.1@-5.5,106.8 ; U3.2@-5.8,118.975 -7.3,118.975 ; C15.2@-4.85,123 v1(-3.75,123) ; C10.2@-4.5,108.4 v1(-4.5,107.5) -4.5,107.298 C2.2@-4.002,106.8 ; U6.7@-4.097,97.55 -3.462,97.55 ; v1@-3.462,96.85 -3.462,97.55 ; v1(-3.462,98.5) -3.462,97.55 ; U6.6@-2.827,97.55 -3.462,97.55 ; v1(-2.5,107.75) C6.2@-2.5,106.8 ; -2,10 -2,80.25 ; -1.5,10 -1.5,80.25 ; v1(-1.5,108.3) v1(-1.5,115.1) ; C5.2@-1.039,106.839 v1(-1.039,107.75) ; C5.2@-1,106.8 C6.2@-2.5,106.8 ; R16.1@-5.5,106.8 C2.2@-4.002,106.8 ; C2.2@-4.002,106.8 C6.2@-2.5,106.8